# KiCad board s100_ColorMagic-1.1-005.kicad_pcb (continued)
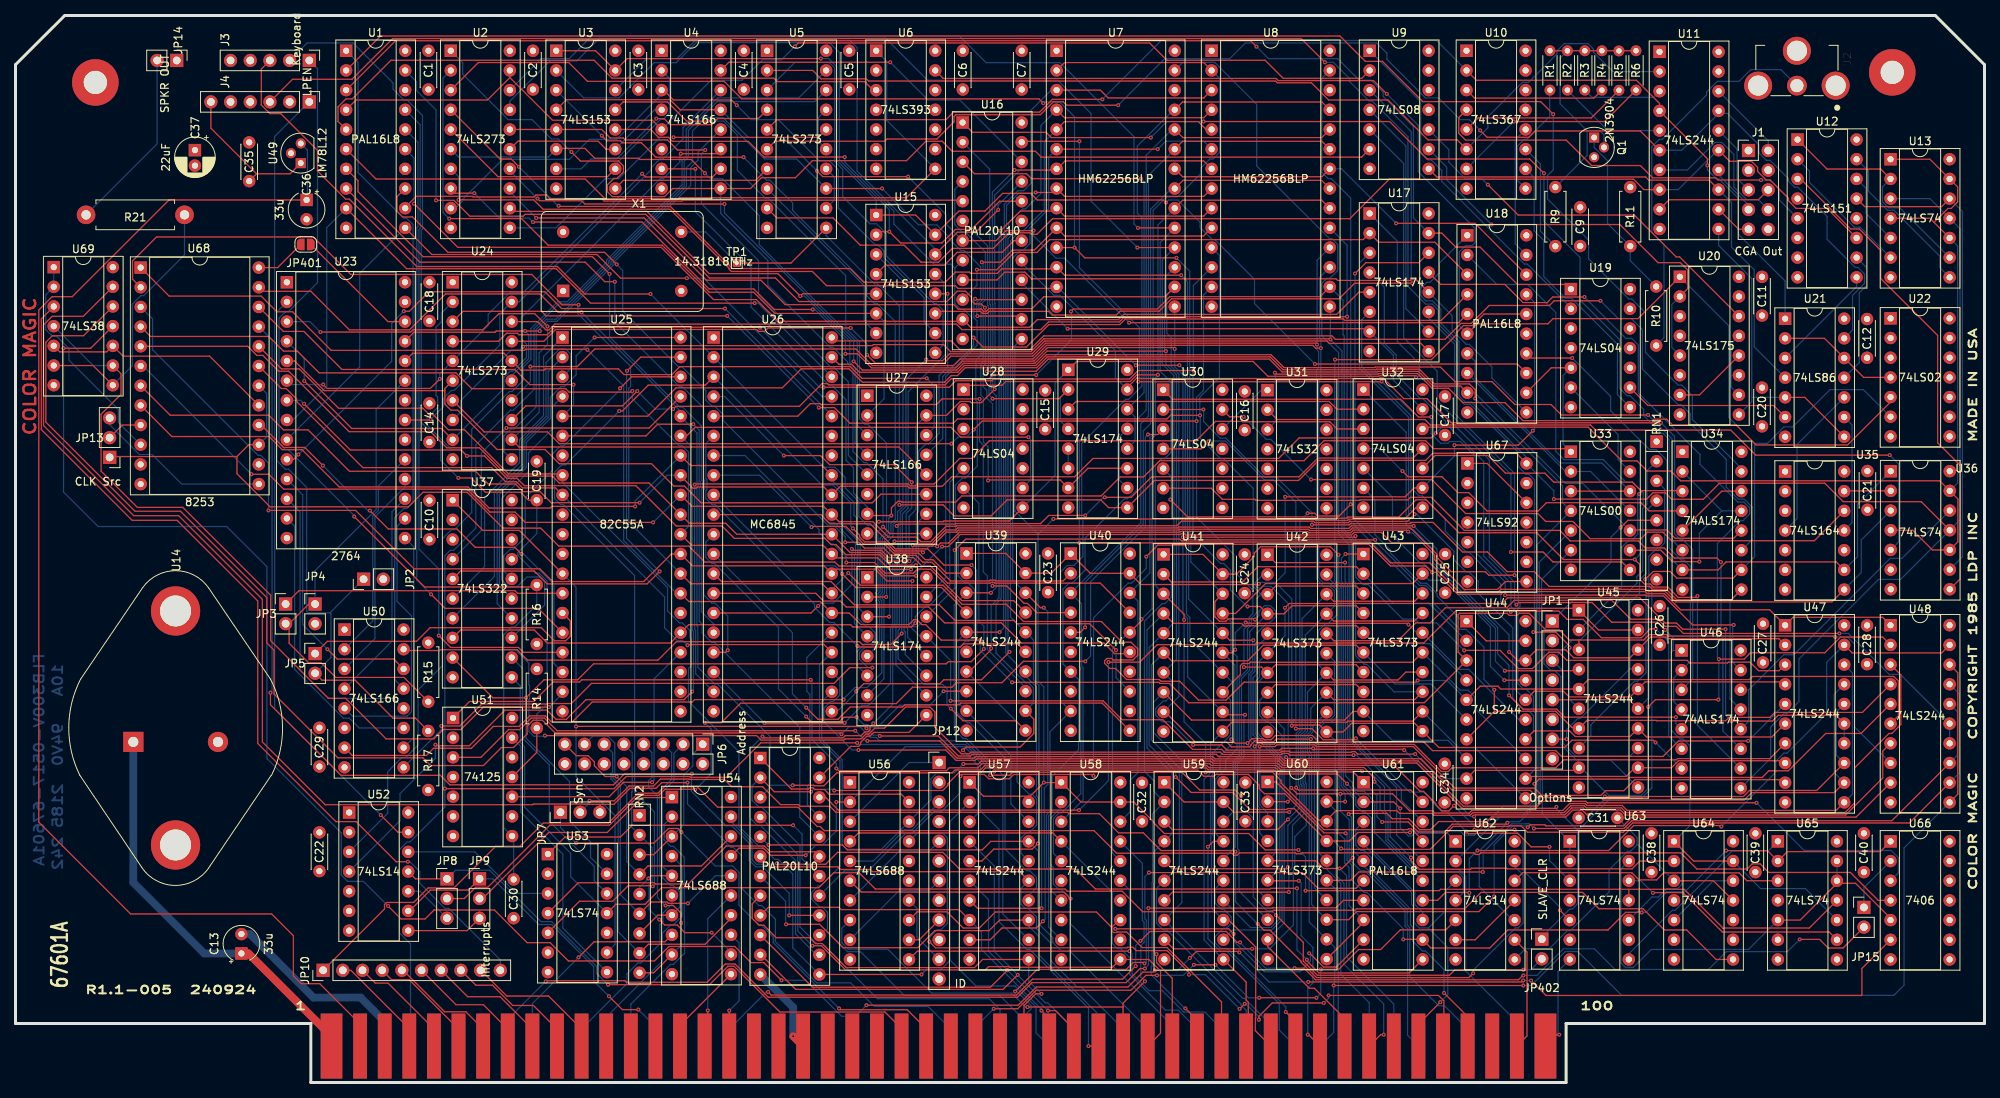
[diagram p0: board, top side]
## Nets (continued)
/Power_Buss_IF/INT*: P1.73
/Power_Buss_IF/MWRT: P1.68
/Power_Buss_IF/NDEF1: P1.21
/Power_Buss_IF/NDEF2: P1.65
/Power_Buss_IF/NDEF3: P1.66
/Power_Buss_IF/NMI*: P1.12
/Power_Buss_IF/pHLDA: P1.26
/Power_Buss_IF/PWRFAIL*: P1.13
/Power_Buss_IF/RESET*: P1.75
/Power_Buss_IF/RFU1: P1.27
/Power_Buss_IF/RFU2: P1.28
/Power_Buss_IF/RFU3: P1.69
/Power_Buss_IF/RFU4: P1.71
/Power_Buss_IF/SDSB*: P1.18
/Power_Buss_IF/sHLTA: P1.48
/Power_Buss_IF/sINTA: P1.96
/Power_Buss_IF/SIXTN*: P1.60
/Power_Buss_IF/sM1: P1.44
/Power_Buss_IF/TMA0*: P1.55
/Power_Buss_IF/TMA1*: P1.56
/Power_Buss_IF/TMA2*: P1.57
/Power_Buss_IF/TMA3*: P1.14
/Power_Buss_IF/XRDY: P1.3
/Q8: U29.3 U32.2
/RAMRD: U7.22 U8.22 U18.18
/RD: U25.5 U33.4 U62.2 U68.22
/RESET: J3.3 U17.1 U26.2 U28.8 U29.1 U38.1 U46.1 U63.10 U64.1 U64.13 U65.10
/SLAVE_CLR: JP402.2 P1.54 U5.18
/STATUS_CS: U45.1 U45.19 U55.22
/sWO: P1.97 U18.16 U61.5
/TMR_INT: JP10.10 U69.3
/TMRCS: U55.16 U68.21
/VI0: JP10.2 P1.4
/VI1: JP10.3 P1.5
/VI2: JP10.4 P1.6
/VI3: JP10.5 P1.7
/VI4: JP10.6 P1.8
/VI5: JP10.7 P1.9
/VI6: JP10.8 P1.10
/VI7: JP10.9 P1.11
/VSYNC_DLY: U6.13 U18.6 U20.1 U22.6 U34.10 U45.8
/WR: U25.36 U33.5 U55.3 U61.1 U62.10 U68.23
A0: P1.79 U25.9 U26.24 U55.15 U61.6 U68.19
A1: P1.80 U25.8 U55.13 U57.2 U68.20
A2: P1.81 U55.11 U57.4
A3: P1.31 U55.10 U57.6
A4: P1.30 U55.9 U57.8
A5: P1.29 U55.8 U57.11
A6: P1.82 U55.7 U57.13
A7: P1.83 U55.6 U57.15
A8: P1.84 U55.5 U57.17
A9: P1.34 U55.4 U58.11
A10: P1.37 U56.13 U58.13
A11: P1.87 U56.11 U58.15
A12: P1.33 U56.8 U58.17
A13: P1.85 U56.6 U58.2
A14: P1.86 U56.4 U58.4 U61.9
A15: P1.32 U54.17 U56.2
A16: P1.16 U54.15
A17: P1.17 U54.13
A18: P1.15 U54.11
A19: P1.59 U54.8
A20: P1.61 U54.6
A21: P1.62 U54.4
A22: P1.63 U54.2
A23: JP9.1 P1.64 U52.9
ALPHA_DOTS: U1.12 U16.5
AT0: U2.2 U15.6 U27.2
AT1: U2.5 U3.10 U4.2
AT2: U2.6 U3.6 U27.3
AT3: U2.9 U4.3 U15.10
AT4: U2.12 U15.5 U27.4
AT5: U2.15 U3.11 U4.4
AT6: U2.16 U3.5 U27.5
AT7: U1.4 U2.19 U4.5 U9.2
ATCLK: U2.11 U5.16
B: U5.9 U11.8 U11.15 U12.11
B_HSYNC_OUT: J1.6 U11.9
B_OUT: J1.9 U11.12
B_VSYNC_OUT: J1.8 U11.7
BACKGROUND_I: U15.12 U38.12
BLINK: U1.5 U6.3
BUS8V: C13.1 P1.1 P1.51 U14.1
BUS16V: C36.1 P1.2 U49.3
BW: U16.16 U17.7 U32.13
C0: U3.12 U16.8 U18.4 U27.13
C1: U3.4 U4.13 U16.7 U18.5
CC0: U23.7 U24.2 U27.10
CC1: U4.10 U23.6 U24.5
CC2: U23.5 U24.6 U27.11
CC3: U4.11 U23.4 U24.9
CC4: U23.3 U24.12 U27.12
CC5: U4.12 U23.25 U24.15
CC6: U23.24 U24.16 U27.14
CC7: U4.14 U23.21 U24.19
CCLK: U16.19 U26.21
CGROM11: JP3.1 U25.14
CGROM12: JP5.1 U25.15
CHG_DOTS: U1.1 U50.13
CLOCK: P1.49 U62.9
COLOR_COMPOSITE: U10.4 U12.5
COLOR_SEL: U16.15 U38.15
COMPOSITE_SYNC: U10.10 U19.8
CURSOR: U26.19 U32.3
CURSOR_BLINK: U1.6 U6.1 U6.8
D3IN: U16.23 U46.6
DA12: U1.13 U40.2
DA13: U1.19 U40.4
DI0: P1.95 U42.2 U47.11 U47.18 U60.2
DI1: P1.94 U42.5 U47.13 U47.16 U60.5
DI2: P1.41 U42.6 U47.14 U47.15 U60.6
DI3: P1.42 U42.9 U47.12 U47.17 U60.9
DI4: P1.91 U42.12 U48.11 U48.18 U60.12
DI5: P1.92 U42.15 U48.13 U48.16 U60.15
DI6: P1.93 U42.16 U48.14 U48.15 U60.16
DI7: P1.43 U42.19 U48.12 U48.17 U60.19
DISPEN: U26.18 U32.11
DO0: P1.36 U41.2 U43.2 U44.2 U59.2
DO1: P1.35 U41.4 U43.5 U44.4 U59.4
DO2: P1.88 U41.6 U43.6 U44.6 U59.6
DO3: P1.89 U41.8 U43.9 U44.8 U59.8
DO4: P1.38 U41.11 U43.12 U44.11 U59.11
DO5: P1.39 U41.13 U43.15 U44.13 U59.13
DO6: P1.40 U41.15 U43.16 U44.15 U59.15
DO7: P1.90 U41.17 U43.19 U44.17 U59.17
DOTCLK: U4.7 U18.12 U19.5 U27.7 U33.1 U50.7
DOTD0: U23.11 U50.14
DOTD1: U23.12 U50.12
DOTD2: U23.13 U50.11
DOTD3: U23.15 U50.10
DOTD4: U23.16 U50.5
DOTD5: U23.17 U50.4
DOTD6: U23.18 U50.3
DOTD7: U23.19 U50.2
ENABLE_BLINK: U1.3 U17.15 U19.1
FB1: U18.7 U33.3 U33.12
FB2: U18.8 U33.2 U33.11
G: U5.6 U11.6 U11.17 U21.13
G_OUT: J1.7 U11.14
GA0: U26.4 U39.11
GA1: U26.5 U39.13
GA2: U26.6 U39.15
GA3: U26.7 U39.17
GA4: U26.8 U39.2
GA5: U26.9 U39.4
GA6: U26.10 U39.6
GA7: U26.11 U39.8
GA8: U26.12 U40.11
GA9: U26.13 U40.13
GA10: U26.14 U40.15
GA11: U26.15 U40.17
GA12: U1.7 U26.16
GA13: U1.8 U26.17
GRPH: U1.15 U16.11 U17.5
HCLK: U18.17 U32.9 U39.1 U39.19 U40.1 U40.19 U42.11 U43.11 U46.7 U60.11 U61.8
HDGRAPHIC: U16.9 U17.12 U18.11
HI_ADDR: U54.19 U61.11
HRES: U16.10 U17.2 U18.3
HSYNC: U26.39 U34.6
HSYNC_OUT: U11.11 U20.9 U21.5 U21.8
I: U5.2 U10.6 U11.2
I_OUT: J1.2 U11.18
KBD_CLK: C30.1 J3.1 R16.1 U51.8 U64.2
KBD_DATA: C19.1 J3.2 R14.1 U37.17 U51.11
LATCH_CLK: U5.13 U16.14 U24.11
LC1: U5.12 U5.14
LC2: U5.15 U5.17
LCLK: U16.2 U29.2 U29.4 U35.8 U36.3
LPENSTR: U26.3 U45.4 U53.5
MA0: U7.10 U8.10 U39.9 U57.18
MA1: U7.9 U8.9 U39.7 U57.16
MA2: U7.8 U8.8 U39.5 U57.14
MA3: U7.7 U8.7 U39.3 U57.12
MA4: U7.6 U8.6 U39.18 U57.9
MA5: U7.5 U8.5 U39.16 U57.7
MA6: U7.4 U8.4 U39.14 U57.5
MA7: U7.3 U8.3 U39.12 U57.3
MA8: U7.25 U8.25 U40.9 U58.9
MA9: U7.24 U8.24 U40.7 U58.7
MA10: U7.21 U8.21 U40.5 U58.5
MA11: U7.23 U8.23 U40.3 U58.3
MA12: U7.2 U8.2 U40.18 U58.18
MA13: U7.20 U8.20 U28.1 U40.16 U58.16
MD0: U8.11 U24.3 U42.3 U43.3 U59.18
MD1: U8.12 U24.4 U42.4 U43.4 U59.16
MD2: U8.13 U24.7 U42.7 U43.7 U59.14
MD3: U8.15 U24.8 U42.8 U43.8 U59.12
MD4: U8.16 U24.13 U42.13 U43.13 U59.9
MD5: U8.17 U24.14 U42.14 U43.14 U59.7
MD6: U8.18 U24.17 U42.17 U43.17 U59.5
MD7: U8.19 U24.18 U42.18 U43.18 U59.3
MD8: U2.3 U7.11 U41.18 U47.9 U60.3
MD9: U2.4 U7.12 U41.16 U47.7 U60.4
MD10: U2.7 U7.13 U41.14 U47.5 U60.7
MD11: U2.8 U7.15 U41.12 U47.3 U60.8
MD12: U2.13 U7.16 U41.9 U48.9 U60.13
MD13: U2.14 U7.17 U41.7 U48.7 U60.14
MD14: U2.17 U7.18 U41.5 U48.5 U60.17
MD15: U2.18 U7.19 U41.3 U48.3 U60.18
MEMCS: U61.12 U65.2 U66.1 U69.12
MUX_G: U3.9 U5.7
MUX_I: U5.3 U15.9
MUX_R: U3.7 U5.4
MUXA: U3.14 U15.14 U16.21
MUXB: U3.2 U15.2 U16.20
MUXBLUE: U5.8 U15.7
NEW_RESET: U5.19 U52.3
OVERSCAN_B: U15.3 U38.2
OVERSCAN_G: U3.13 U38.5
OVERSCAN_I: U15.13 U38.10
OVERSCAN_R: U3.3 U38.7
PB6: U25.24 U51.10
PB7: U25.25 U28.5 U37.8
PC4: U25.13 U37.1 U53.9 U66.3
PD0: U17.3 U25.34 U26.33 U38.3 U44.18 U45.18 U47.2 U68.8
PD1: U17.4 U25.33 U26.32 U38.4 U44.16 U45.16 U47.4 U68.7
PD2: U17.6 U25.32 U26.31 U38.6 U44.14 U45.14 U47.6 U68.6
PD3: U17.11 U25.31 U26.30 U38.11 U44.12 U45.12 U47.8 U68.5
PD4: U17.13 U25.30 U26.29 U38.13 U44.9 U45.9 U48.2 U68.4
PD5: U17.14 U25.29 U26.28 U38.14 U44.7 U45.7 U48.4 U68.3
PD6: U25.28 U26.27 U44.5 U45.5 U48.6 U68.2
PD7: U25.27 U26.26 U44.3 U45.3 U48.8 U68.1
pDBIN: P1.78 U55.2 U61.2 U62.1
PHI: JP8.1 P1.24 U52.11
POC*: P1.99 U51.1
PORTC2: U1.16 U25.16
PORTC3: U1.17 U25.17
PRDY: P1.72 U66.6 U69.11
pSTVAL: JP7.1 P1.25
pSYNC: JP7.3 P1.76 U69.13
PU_RN1_8: JP402.1 RN1.8 U51.3
pWR*: P1.77 U62.5
Q2: U29.5 U29.6
Q3: U16.4 U29.7 U29.11
Q4: U29.10 U29.13
Q5: U16.3 U29.12 U29.14
Q6: U16.17 U29.15 U46.3
Q7: U16.1 U46.2 U46.4
Q8: U32.1 U46.5
R: U5.5 U10.2 U11.4 U21.1
R_OUT: J1.5 U11.16
RA0: U1.9 U23.8 U26.38
RA1: U1.11 U23.9 U26.37
RA2: U23.10 U26.36
RESET: U25.35 U28.9 U52.4
SELBLUE: U15.4 U16.18
sINP: P1.46 U56.17
SL: U4.15 U16.22 U27.15 U50.15
sMEMR: P1.47 U61.3
sOUT: P1.45 U61.4 U62.3
SPKR_DATA: U25.19 U69.4 U69.9
SPKR_GATE: U25.18 U68.16
STR: U3.1 U3.15 U15.1 U15.15 U18.13
U35.12: U30.13 U35.12
U35.13: U35.13 U36.2
VIDEO_EN: U9.4 U17.10
VSYNC: U26.40 U34.11
VSYNC_OUT: U9.8 U11.13 U21.4
XTRQ: P1.58 U61.7
Net-(C31-Pad1): C31.1 U62.8 U64.3 U64.11
Net-(J2-Pad2): J2.2 R10.2
Net-(J4-Pad1): J4.1 U52.13
Net-(JP1-Pad1): JP1.1 RN1.5 U45.11
Net-(JP1-Pad3): JP1.3 RN1.2 U45.13
Net-(JP1-Pad5): JP1.5 RN1.3 U45.15
Net-(JP1-Pad7): JP1.7 RN1.4 U45.17
Net-(JP2-Pad1): JP2.1 JP5.2 R17.2 U23.2
Net-(JP3-Pad2): JP3.2 JP4.1 R15.2 U23.23
Net-(JP6-Pad1): JP6.1 RN2.3 U54.3
Net-(JP6-Pad3): JP6.3 RN2.5 U54.5
Net-(JP6-Pad5): JP6.5 RN2.7 U54.7
Net-(JP6-Pad7): JP6.7 RN2.9 U54.9
Net-(JP6-Pad9): JP6.9 RN2.2 U54.12
Net-(JP6-Pad11): JP6.11 RN2.8 U54.14
Net-(JP6-Pad13): JP6.13 RN2.6 U54.16
Net-(JP6-Pad15): JP6.15 RN2.4 U54.18
Net-(JP7-Pad2): JP7.2 U62.13
Net-(JP8-Pad2): JP8.2 U30.3
Net-(JP8-Pad3): JP8.3 U52.10
Net-(JP9-Pad2): JP9.2 U54.1
Net-(JP9-Pad3): JP9.3 U52.8
Net-(JP12-Pad1): JP12.1 U56.3
Net-(JP12-Pad3): JP12.3 U56.5
Net-(JP12-Pad5): JP12.5 U56.7
Net-(JP12-Pad7): JP12.7 U56.9
Net-(JP12-Pad9): JP12.9 U56.12
Net-(JP12-Pad11): JP12.11 U56.14
Net-(JP13-Pad1): JP13.1 U67.8 U68.15 U68.18
Net-(JP13-Pad2): JP13.2 U68.9
Net-(JP13-Pad3): JP13.3 U68.13
Net-(JP14-Pad2): JP14.2 R21.2
Net-(JP15-Pad1): JP15.1 U66.2
Net-(JP401-Pad1): JP401.1 U23.26
Net-(Q1-Pad1): Q1.1 R10.1 R11.2
Net-(Q1-Pad2): Q1.2 R1.2 R2.2 R3.2 R4.2 R5.2 R6.2 R9.2
Net-(R1-Pad1): R1.1 U10.9
Net-(R2-Pad1): R2.1 U11.5
Net-(R3-Pad1): R3.1 U11.3
Net-(R4-Pad1): R4.1 U10.3
Net-(R5-Pad1): R5.1 U10.5
Net-(R6-Pad1): R6.1 U10.7
Net-(R9-Pad1): R9.1 U10.11
Net-(R21-Pad1): R21.1 U69.6 U69.8
Net-(U12-Pad1): U12.1 U13.2 U13.9
Net-(U12-Pad2): U12.2 U13.6
Net-(U12-Pad3): U12.3 U36.8
Net-(U12-Pad9): U12.9 U21.3
Net-(U12-Pad10): U12.10 U21.11
Net-(U12-Pad13): U12.13 U13.12 U36.9
Net-(U12-Pad14): U12.14 U13.5
Net-(U12-Pad15): U12.15 U13.8
Net-(U15-Pad11): U9.3 U15.11
Net-(U19-Pad6): U19.6 U33.13
Net-(U19-Pad9): U19.9 U21.6
Net-(U20-Pad2): U9.9 U20.2 U20.5
Net-(U20-Pad10): U20.10 U20.13
Net-(U20-Pad12): U20.7 U20.12
Net-(U20-Pad14): U9.10 U20.14
Net-(U21-Pad9): U21.9 U35.11
Net-(U21-Pad10): U21.10 U35.4
Net-(U21-Pad12): U21.2 U21.12 U22.4
Net-(U22-Pad5): U22.5 U31.3
Net-(U25-Pad1): U25.1 U37.6
Net-(U25-Pad2): U25.2 U37.14
Net-(U25-Pad3): U25.3 U37.7
Net-(U25-Pad4): U25.4 U37.13
Net-(U25-Pad37): U25.37 U37.4
Net-(U25-Pad38): U25.38 U37.16
Net-(U25-Pad39): U25.39 U37.5
Net-(U25-Pad40): U25.40 U37.15
Net-(U28-Pad6): U28.6 U37.9 U53.13
Net-(U30-Pad1): U30.1 U46.15
Net-(U30-Pad4): U30.4 U63.3
Net-(U30-Pad12): U30.12 U31.1
Net-(U31-Pad2): U31.2 U36.5
Net-(U32-Pad4): U32.4 U34.4
Net-(U32-Pad6): U32.6 U44.1 U44.19
Net-(U33-Pad6): U33.6 U63.1 U63.2
Net-(U33-Pad8): U9.5 U33.8
Net-(U33-Pad9): U33.9 U34.2 U34.13
Net-(U34-Pad14): U34.5 U34.14
Net-(U37-Pad11): U37.11 U53.11 U64.8
Net-(U37-Pad12): U37.12 U53.12
Net-(U51-Pad13): U51.13 U53.8
Net-(U52-Pad12): U52.12 U53.3
Net-(U55-Pad1): U55.1 U56.19
Net-(U62-Pad11): U62.6 U62.11
Net-(U62-Pad12): U62.12 U65.3
Net-(U63-Pad8): U63.8 U65.1
Net-(U63-Pad12): U63.12 U65.9
Net-(U63-Pad13): U63.13 U65.5 U65.12 U65.13 U66.5
Net-(U64-Pad12): U64.5 U64.12
Net-(U67-Pad1): U67.1 U67.12
Net-(U68-Pad10): U68.10 U69.1 U69.2
Net-(U68-Pad17): U68.17 U69.5 U69.10

Pads without a net: H1 1; H2 1; J1 3 4; J4 2; RN1 6 7; U1 14 18; U6 4 5 6 9 10 11; U9 11 12 13; U10 13 14; U12 6; U18 15; U19 3 4 10 11 12 13; U20 3 6 11 15; U22 1 2 3 8 9 10 11 12 13; U23 1 27; U25 10 11 12 20 21 22 23; U26 34 35; U28 3 4 10 11 12 13; U30 8 9 10 11; U31 4 5 6 8 9 10 11 12 13; U35 3 5 6 10; U36 6; U40 6 8 12 14; U51 4 5 6; U52 1 2 5 6; U53 6; U58 6 8 12 14; U63 6 9; U64 6 9; U65 6 8; U66 8 9 10 11 12 13; U67 2 3 4 9 11 13; X1 1

## Via types
v1: diameter 0.508, hole 0.254, Component to Copper, 508 vias

## Routing (per net, layer and track width the routed paths; a pad name or vN(x,y) marks a point on that pad's centre or on a via; arc(x,y) is an arc through that point)
+12V: length 19.3
  Component w0.152: U49.1 35.42,117.27 31.09,117.27 ; 31.09,117.27 C35.1 ; 31.09,117.27 25.2,123.16 25.2,126.56
GND: length 58.2
  Component w0.152: 197.36,4.7 198.83,6.17 v1(199.14,6.17)
  Component w1: 101.6,4.7 v1(100.32,5.97)
  Copper w0.152: 198.98,6.32 v1(199.14,6.17) ; 198.98,6.32 198.98,14.36 U63.7 ; 198.98,6.32 197.36,4.7 ; 47.63,8.18 P1.53
  Copper w1: C13.2 30.25,19.16 38.45,10.96 44.53,10.96 47.63,7.86 P1.53 ; U55.12 100.32,9.7 v1(100.32,5.97) 101.6,4.7
VCC: length 6.6
  Component w0.152: JP401.2 33.81,105.17 U68.24
3.58MHZ: length 42.1
  Copper w0.152: U46.12 223.59,46.64 223.59,50.68 ; 223.59,50.68 228.12,55.2 229.4,55.2 241.84,67.64 243.35,67.64 U36.12 ; 223.59,50.68 U46.14
7MHZ: length 160.4
  Component w0.152: v1(216.97,62.79) 216.78,62.6 214.49,62.6 213.16,63.94 211.28,63.94 210.88,64.34 210.14,64.34 209.53,64.95 209.53,66.85 v1(208.89,67.49) 199.69,67.49 196.23,70.95 186.21,70.95 181.96,75.2 180.68,75.2 178.45,72.97 171.87,72.97 171.72,72.83 167.84,72.83 167.67,73 151.2,73 v1(148.97,75.23)
  Copper w0.152: v1(148.97,75.23) 149.08,75.34 149.08,78.2 U30.5 ; v1(208.89,67.49) 209.62,68.22 209.62,74.41 209.97,74.77 209.97,76.12 208.64,77.45 207.75,77.45 204.81,80.39 199.76,80.39 198.7,81.45 198.7,99.38 195.09,102.99 191.09,102.99 U18.2 ; v1(216.97,62.79) 216.97,46.1 U46.10
14MCLK: length 344.7
  Component w0.152: v1(198.45,75.29) 210.42,75.29 211.23,76.11 212.82,76.11 213.66,75.27 217.74,75.27 219.82,77.35 233.39,77.35 235.78,74.96 245.83,74.96 U36.11 ; v1(114.02,74.55) 119.65,74.55 121.07,73.13 125.84,73.13 127.91,75.2 140,75.2 141,74.19 U29.9 146.93,77.7 165.52,77.7 168.11,80.29 181.9,80.29 182.82,81.21 193.61,81.21 U67.14 ; TP1.1 100.03,105.75 U5.11
  Copper w0.152: U13.3 246.96,114.08 U13.11 250.84,110.19 250.84,72.6 U36.11 243.17,64.92 240.32,64.92 230.06,54.67 230.06,49.16 228.48,47.59 228.13,47.59 226.42,45.88 226.42,41.85 U46.9 ; v1(198.45,75.29) 198.45,76.36 U67.14 194.92,80.68 187.78,87.81 187.01,87.81 186.22,88.6 186.22,95.63 183.87,97.98 183.87,99.79 182.78,100.88 181.95,100.88 181.28,101.55 181.28,102.5 182.05,103.27 182.46,103.27 183.68,104.48 183.68,105.74 U18.1 ; v1(114.02,74.55) 114.02,100.23 111.18,103.06 110.8,103.06 104.57,109.29 U5.11 ; TP1.1 89.03,109.78 X1.8
6845E: length 118.5
  Component w0.152: U63.5 v1(199.23,22.24) ; v1(193.38,32.63) 188.24,32.63 v1(188.21,32.6) ; v1(108.74,42.91) 120,42.91 121.34,41.57 123.78,41.57 123.98,41.78 154.32,41.78 154.61,41.49 162.95,41.49 163.5,40.94 177.84,40.94 181.2,37.58 181.62,37.58 183.21,36 183.21,35.86 184.01,35.06 184.91,35.06 v1(185.57,35.72)
  Copper w0.152: v1(193.38,32.63) 194.48,31.53 194.48,27.38 199.23,22.63 v1(199.23,22.24) ; v1(108.74,42.91) 107.92,42.91 104.28,46.56 104.28,48.31 105.14,49.16 105.49,49.16 106.33,50.01 106.33,51.94 U26.23 ; v1(188.21,32.6) 188.21,33.08 v1(185.57,35.72)
/3.6MCLK: length 104
  Component w0.152: v1(167.24,71.98) 167.26,71.97 172.06,71.97 172.22,72.13 179.88,72.13 180.03,72.29 182.86,72.29 186.68,68.47 189.89,68.47 192.42,65.93 195.92,65.93 197.83,64.02 210.8,64.02 211.17,63.65 212.94,63.65 214.27,62.32 221.35,62.32 U34.9 ; U30.2 v1(153.24,86.86)
  Copper w0.152: U34.9 221.17,62.14 221.17,49.52 U46.13 ; v1(153.24,86.86) 153.26,86.83 153.26,85.3 155.41,83.16 156.12,83.16 161.17,78.1 162.69,78.1 167.24,73.55 v1(167.24,71.98)
/7MHZ: length 101.4
  Component w0.152: v1(220,67.17) 219.49,67.68 214,67.68 212.69,68.99 210.25,68.99 209.34,69.9 200.56,69.9 199.21,71.25 186.9,71.25 182.63,75.52 179.96,75.52 179.63,75.2 173.46,75.2 173.4,75.13 160.02,75.13 159.88,75.27 155.68,75.27 154.25,76.7 U30.6
  Copper w0.152: U46.11 220.25,45.36 220.25,57.37 220,57.62 v1(220,67.17)
/6845CS: length 26.1
  Copper w0.152: U26.25 102.08,54.84 102.08,50.48 102.47,50.1 102.47,38.54 102.15,38.23 102.15,35.81 U55.21
/6845WRT: length 121.5
  Component w0.152: v1(122.26,41.11) 124.22,41.11 124.58,41.47 154.19,41.47 154.46,41.19 162.81,41.19 163.35,40.66 173.94,40.66 175.31,39.29 v1(175.31,38.82)
  Copper w0.152: v1(122.26,41.11) 121.14,39.99 118.89,39.99 118.09,39.19 118.09,36.49 U56.18 111.71,30.11 107.2,30.11 106.64,30.67 106.64,41.63 104,44.27 104,49.13 U26.22 ; v1(175.31,38.82) 176.03,38.09 176.03,35.26 176.77,34.52 176.77,31.23 180.87,27.13 186.13,27.13 186.78,26.49 186.78,24.5 U62.4
/BLANK: length 17.3
  Copper w0.152: U18.19 193.47,108.23 193.47,121.66 U10.12
/BW: length 147
  Component w0.152: U13.1 246.96,119.16 U13.13 250.53,115.58 250.53,113.64 249.7,112.81 249.29,112.81 247.49,111 ; 247.49,111 246.96,111.53 U13.4 ; 247.49,111 U13.10 ; U36.4 244.72,71.28 247.27,68.73 U36.10 250.57,69.78 250.57,75.31 U36.13 248.22,77.66 214.8,77.66 213.55,78.91 210.49,78.91 209.17,80.23 207.22,80.23 202.87,84.58 181.73,84.58 U32.12
  Copper w0.152: U36.13 250.53,77.37 250.53,107.96 U13.10
/CLR_SL: length 282.4
  Component w0.152: v1(54.93,46.01) 57.32,46.01 60.15,48.84 68.56,48.84 68.62,48.91 71.7,48.91 74.29,51.5 105.58,51.5 107.62,53.54 v1(110.53,53.54) ; U9.6 173.65,119.43 132.32,119.43 131.57,120.18 120.83,120.18 119.54,121.47 117.44,121.47 114.94,118.97 102.8,118.97 100.6,116.77 96.21,116.77 94.81,115.38 U4.9 84.77,115.38 83.73,114.33 76.99,114.33 76.37,114.96 76.37,115.86 77.18,116.67 77.58,116.67 78.43,117.52 78.43,118.28 77.79,118.92 72.88,118.92 v1(71.72,120.08) ; v1(111.9,71.72) 112.78,70.85 U27.9
  Copper w0.152: v1(71.72,120.08) 70.02,121.78 69.12,121.78 66.64,124.27 63.56,124.27 57.69,130.14 57.69,131.62 U2.1 ; U4.9 90.97,112.16 97.06,106.07 97.06,102.92 105.09,94.89 105.47,94.89 107.34,93 107.34,92.79 108.03,92.11 108.03,81.44 109.46,80 109.78,80 111.9,77.88 v1(111.9,71.72) 111.25,71.07 111.25,63.49 110.97,63.2 110.97,62.12 111.18,61.91 111.18,57.02 110.34,56.17 109.57,56.17 108.87,55.48 108.87,54.63 109.96,53.54 v1(110.53,53.54) ; U50.9 54.93,45.54 v1(54.93,46.01)
/CURSOR_DLY: length 219
  Component w0.152: U1.2 47.1,135.06 170.85,135.06 174.12,131.79 176.34,131.79 181.53,126.59 196.74,126.59 v1(198.37,124.96)
  Copper w0.152: U34.15 222.65,79.25 216.32,85.58 216.32,88.61 214.92,90.01 214.47,90.01 210.27,94.21 210.27,99.33 208.48,101.12 208.11,101.12 202.93,106.31 202.93,108.72 197.63,114.02 197.63,117.04 198.37,117.78 v1(198.37,124.96)
/DISPEN: length 57.7
  Component w0.152: 209.78,76.27 208.57,77.49 198.44,77.49 197.28,78.64 192.21,78.64 189.92,80.92 183.16,80.92 U32.10 ; 209.78,76.27 209.9,76.39 214.95,76.39 U34.3 ; 209.78,76.27 v1(209.46,75.95)
  Copper w0.152: U45.2 207.2,63.92 207.2,69.06 208.1,69.97 208.47,69.97 209.27,70.77 209.27,75.76 v1(209.46,75.95)
/DISPEN_DLY: length 128.9
  Component w0.152: U34.12 221.64,70.23 214.11,70.23 213.03,71.31 208.34,71.31 U33.10 ; v1(125.33,91.79) 131.65,91.79 133.23,93.37 161.74,93.37 163.4,91.7 175.61,91.7 175.69,91.78 180.97,91.78 182.87,89.88 186.42,89.88 187.28,89.02
  Copper w0.152: U16.6 125.39,107.98 125.39,100.31 125.51,100.19 125.51,91.97 v1(125.33,91.79) ; U33.10 202.18,77.32 199.92,77.32 188.22,89.02 187.28,89.02
/EN2: length 77.6
  Component w0.152: v1(170.66,68.11) 169.63,69.15 160.62,69.15 159.79,68.31 159.79,67.88 157.53,65.61 U41.19 153.18,68.16 U41.1
  Copper w0.152: U61.13 181.52,21.96 180.51,22.97 180.51,24.52 174.92,30.11 174.92,34.1 174.09,34.94 173.72,34.94 172.89,35.76 172.89,36.78 171.29,38.38 171.29,63.99 170.7,64.58 170.7,68.08 v1(170.66,68.11)
/EN3: length 89.9
  Component w0.152: v1(220.05,33.04) 219.93,33.16 208.74,33.16 205.52,29.94 v1(188.59,29.94) ; v1(187.55,24.47) 187.48,24.53 184.47,24.53 183.44,23.51 U61.14 ; U48.19 248.47,55.44 236.93,55.44 U47.19
  Copper w0.152: v1(187.55,24.47) 187.55,28.89 v1(188.59,29.94) ; v1(220.05,33.04) 227.06,40.04 227.06,41.44 228.12,42.5 228.51,42.5 233.65,47.64 233.65,54.22 U47.19
/EN4: length 49.5
  Component w0.152: U43.1 v1(171.57,68.2)
  Copper w0.152: v1(171.57,68.2) 171.04,67.68 171.04,64.64 171.57,64.11 171.57,39.58 172.47,38.68 172.47,38.25 173.13,37.6 173.96,37.6 175.33,36.22 175.33,32.24 U61.15
/EN5: length 53.1
  Component w0.152: U42.1 162.51,67.1 v1(171.51,67.1)
  Copper w0.152: v1(171.51,67.1) 171.51,64.65 171.85,64.31 171.85,44.38 178.16,38.07 178.16,31.95 U61.16
/EN6: length 23.3
  Component w0.152: U61.17 181.52,31.28 180.08,32.73 179.7,32.73 179.61,32.64 168.77,32.64 162.62,38.79 U60.1
/ENABLE_BLINK: length 44.5
  Copper w0.152: U9.1 181.27,126.57 181.27,120.01 182.22,119.06 182.63,119.06 183.99,117.7 183.99,116.29 194.65,105.63 195.01,105.63 200.65,99.99 U19.2
/EVNWR: length 138.8
  Component w0.152: U61.19 179.99,37.75 165.51,37.75 v1(165.21,38.04) ; U59.1 150.74,36.21 U59.19 157.13,34.9 v1(164.3,34.9) ; v1(172.24,74.62) 170.73,73.11 167.96,73.11 167.61,73.46 v1(166.68,73.46)
  Copper w0.152: v1(172.24,74.62) 172.24,114.12 169.72,116.64 169.34,116.64 168.51,117.48 168.51,129.58 U8.27 ; v1(164.3,34.9) 165.21,35.81 v1(165.21,38.04) 165.21,45.07 165.68,45.54 165.68,72.47 v1(166.68,73.46)
/HCLK: length 237.9
  Component w0.152: v1(165.49,30.02) 161.2,30.02 159.09,32.13 148.21,32.13 146.92,33.43 146.92,33.53 144.25,36.2 137.44,36.2 U58.1 134.87,38.71 v1(132.65,38.71) 130.89,36.95 130.7,36.95 ; v1(166.42,24.76) 183.66,24.76 183.83,24.94 208.12,24.94 ; 208.12,24.94 215.26,24.94 220.26,19.94 231.4,19.94 U65.11 ; 208.12,24.94 U63.11 ; 130.7,36.95 124.87,36.95 U57.1 ; 130.7,36.95 130.7,36.2 ; v1(133.88,72.72) 167.55,72.72 167.74,72.53 171.83,72.53 171.99,72.69 179.15,72.69 180.65,74.19 U32.8
  Copper w0.152: v1(165.49,30.02) 166.42,29.1 v1(166.42,24.76) ; 131.91,70.76 v1(133.88,72.72) ; 131.91,70.76 131.91,51.8 132.65,51.06 v1(132.65,38.71) ; 131.91,70.76 128.91,73.76 128.91,95.07 U16.13
/HSYNC_DLY: length 76.8
  Component w0.152: v1(200.8,93.5) 195.5,93.5 194.9,94.1 ; U35.9 234.87,67.19 220.66,67.19 219.63,66.16 U34.7
  Copper w0.152: v1(200.8,93.5) 205.77,88.54 205.77,86.69 210.77,81.69 211.63,81.69 213.02,80.3 213.02,68.16 U34.7 ; U35.9 237.62,67.87 237.62,74.61 U36.1
/IDEN1: length 194.4
  Component w0.152: U48.1 240.86,60.04 229.3,60.04 U47.1 226.29,61.01 214.79,61.01 212.71,63.09 210.52,63.09 210.25,63.36 191.98,63.36 191.65,63.03 186.03,63.03 183.22,65.84 v1(182.76,65.84) 181.93,66.67 177.36,66.67 174.57,69.46 151.12,69.46 151.02,69.36 147.36,69.36 v1(145.87,67.87) ; v1(121.9,39.53) 122.14,39.77 124.97,39.77 125.54,39.2 128.21,39.2 128.76,39.75 138.89,39.75 v1(139.07,39.57)
  Copper w0.152: U55.17 106.91,27.31 109.98,27.31 114.8,32.13 115.65,32.13 118.46,34.94 119.41,34.94 121.9,37.43 v1(121.9,39.53) ; v1(139.07,39.57) 139.07,59.98 143.53,64.45 143.97,64.45 145.87,66.34 v1(145.87,67.87) ; U32.5 177.63,75.52 177.63,70.6 181.19,67.04 181.56,67.04 v1(182.76,65.84)
/IO Chips/KBD_INT*: length 219.5
  Component w0.152: JP10.1 47.6,22.4 47.6,22.97 47.87,23.24 51.36,23.24 53.23,25.11 56.57,25.11 61.94,30.48 65.08,30.48 68.08,33.49 76.48,33.49 80.34,37.34 82.86,37.34 83.76,38.24 87.87,38.24 90.57,35.53 100.93,35.53 103.42,33.04 103.8,33.04 104.33,32.51 139.12,32.51 142.04,29.59 156.92,29.59 157.19,29.33 157.57,29.33 157.88,29.63 165.12,29.63 165.25,29.51 165.87,29.51 165.99,29.63 188.12,29.63 188.31,29.44 188.83,29.44 189.03,29.63 214.81,29.63 216.89,27.56 223.37,27.56 224.03,28.22 225.06,28.22 226.16,27.11 236.69,27.11 240.3,23.5 U66.4
/LPEN_CLR: length 41.1
  Component w0.152: U53.1 70.89,31.69 78.04,31.69 79.55,33.2 v1(100.31,33.2)
  Copper w0.152: U55.18 101.47,28.87 101.47,32.04 v1(100.31,33.2)
/LPEN_SET: length 39.3
  Component w0.152: U53.4 72.6,25.78 82.4,25.78 82.56,25.62 86.78,25.62 91.68,30.52 96.6,30.52 97.34,29.78 103.1,29.78 U55.19
/LPENSW: length 241.6
  Component w0.152: v1(200.47,56.12) 200.47,56.34 198.68,58.12 v1(195.8,58.12) ; J4.3 35.74,129.47 43.4,129.47 48.65,134.73 165.85,134.73 v1(168.92,131.67)
  Copper w0.152: v1(200.47,56.12) 200.47,49.45 U45.6 ; v1(195.8,58.12) 195.95,58.28 195.95,77.78 195.23,78.5 194.84,78.5 193.82,79.51 193.82,81.37 187.68,87.51 186.91,87.51 185.94,88.48 185.94,95.47 183.55,97.86 183.55,99.67 182.76,100.46 181.91,100.46 179.63,102.74 179.63,122.06 175.01,126.68 174.6,126.68 172.11,129.17 172.11,129.55 170,131.67 v1(168.92,131.67)
/ODDWR: length 116.8
  Copper w0.152: U7.27 150.57,131.64 154.71,131.64 160.11,126.24 160.11,118.3 169.52,108.9 169.82,108.9 170.57,108.15 170.57,104.81 169.54,103.78 169.15,103.78 168.51,103.14 168.51,96.37 170.68,94.19 170.68,70.78 172.03,69.43 172.03,64.53 172.13,64.43 172.13,44.49 178.77,37.86 178.77,36.42 U61.18
/PHANTOM: length 164.2
  Component w0.152: JP15.2 235.75,17.36 233.83,17.36 232.72,18.47 v1(230.16,18.47) ; v1(145.13,18.28) 146.34,19.5 156.18,19.5 157.59,18.08 v1(157.97,18.08) ; v1(144.5,15.03) 142.81,13.34 131.19,13.34 129.14,11.29 97.48,11.29 v1(97.08,11.69) ; v1(164.99,14.75) 166.21,14.75 167.71,13.26 193.89,13.26 194.45,13.82 v1(194.51,13.82)
  Copper w0.152: v1(194.51,13.82) 196.25,13.82 199.68,17.25 203.67,17.25 206.34,14.59 218.39,14.59 220.69,16.89 228.58,16.89 v1(230.16,18.47) ; v1(144.5,15.03) 144.5,17.66 v1(145.13,18.28) ; v1(164.99,14.75) 161.25,14.75 157.97,18.04 v1(157.97,18.08) ; v1(97.08,11.69) 96.86,11.69 92.08,6.91 P1.67
/PIACS: length 77.8
  Component w0.152: U25.6 81.33,83.45 82.83,84.96 v1(87.44,84.96)
  Copper w0.152: v1(87.44,84.96) 88.19,84.2 88.19,77.62 88.35,77.47 88.35,76.86 88.19,76.71 88.19,59.52 88.58,59.14 88.58,58.04 89.83,56.78 90.22,56.78 101.17,45.83 101.17,34.25 U55.20
/PORT1_WR: length 164.7
  Component w0.152: v1(117.48,93.31) 117.65,93.15 119.58,93.15 120.47,94.04 131.12,94.04 132.77,95.7 169.18,95.7 169.48,95.39 181.29,95.39 U17.9 ; v1(110.66,46.34) 110.24,45.91 110.24,45.52 109.97,45.25 109.58,45.25 109.08,44.76 107.02,44.76 106.74,44.48 96.54,44.48 v1(96.37,44.66)
  Copper w0.152: U55.14 103.32,16.48 100.62,19.18 100.62,28.66 96.11,33.17 95.71,33.17 94.71,34.18 94.71,43 v1(96.37,44.66) ; v1(110.66,46.34) 113.16,48.83 113.16,58.63 113.44,58.91 113.44,67.91 114.12,68.59 114.12,73.61 114.87,74.35 114.87,90.7 v1(117.48,93.31)
/PORT2_WR: length 17.3
  Component w0.152: U38.9 115.25,45.18 110.69,45.18 110.2,44.69 109.82,44.69 109.03,43.9 109.03,43.65 108.76,43.38 107.74,43.38 U55.23
/Q8: length 38.9
  Component w0.152: U32.2 170.47,86.89 169.47,87.9 136.81,87.9 U29.3
/RAMRD: length 51.9
  Component w0.152: U8.22 168.52,116.89 150.56,116.89 U7.22 ; U18.18 188.28,110.89 v1(178.09,110.89)
  Copper w0.152: U8.22 171.06,117.92 v1(178.09,110.89)
/RD: length 247.4
  Component w0.152: v1(71.98,90.07) 66.35,90.07 64.4,92.02 42.11,92.02 37.2,96.93 34.55,96.93 U68.22 ; U25.5 81.55,86 85.21,89.65 98.92,89.65 101.37,92.11 107.51,92.11 109.24,90.38 119.85,90.38 120.7,91.23 121.49,91.23 122.52,92.25 131.72,92.25 133.11,93.65 161.85,93.65 163.52,91.98 175.5,91.98 175.57,92.06 181.09,92.06 182.99,90.16 187.56,90.16 188.3,89.42 v1(188.3,88.28)
  Copper w0.152: U25.5 71.98,87.42 v1(71.98,90.07) ; U62.2 191.52,34.32 194.29,34.32 196.4,36.43 196.4,47.92 196.26,48.06 196.26,69.39 U33.4 199.57,74.85 199.57,77.02 v1(188.3,88.28)
/RESET: length 355.5
  Component w0.152: U28.8 128.19,72.46 119.75,72.46 119.66,72.37 v1(111.38,72.37) ; v1(81.91,101.77) 73.44,101.77 69.9,105.31 51.76,105.31 43.07,114.01 42.59,114.01 38.95,117.64 38.95,120.3 34.21,125.04 32.83,125.04 31.71,126.16 31.71,130.79 J3.3 ; v1(212.81,58.39) 211.8,59.41 205.91,59.41 203.37,61.95 193.9,61.95 v1(193.62,61.66) ; v1(180.67,91.02) 180.48,91.21 175.92,91.21 175.85,91.14 161.57,91.14 159.65,93.06 136.89,93.06 U29.1 ; U64.13 216.49,28.58 U64.1
  Copper w0.152: 213.83,55.76 U46.1 ; 213.83,55.76 213.59,55.53 213.59,45.48 214.74,44.33 215.11,44.33 215.99,43.46 215.99,33.16 U64.1 214.98,30.09 214.98,25.59 214.39,25 213,25 211.94,23.94 211.1,23.94 U63.10 ; 213.83,55.76 213.83,57.38 v1(212.81,58.39) ; 181.1,91.28 180.84,91.02 v1(180.67,91.02) ; 181.1,91.28 182.91,89.47 182.91,87.55 190.12,80.34 190.12,67.81 193.37,64.56 193.37,61.91 v1(193.62,61.66) ; 181.1,91.28 181.1,92.78 178.26,95.61 178.26,108.58 U17.1 ; U65.10 230.9,25.03 225.12,25.03 U64.13 ; U28.8 134.1,78.37 134.1,90.27 U29.1 ; 110.93,71.92 110.93,66.26 U38.1 ; 110.93,71.92 v1(111.38,72.37) ; 110.93,71.92 109.9,71.92 108.79,73.04 108.79,74.97 107.03,76.73 107.03,78.08 105.7,79.41 104.27,79.41 U26.2 v1(81.91,101.77)
/SLAVE_CLR: length 321.9
  Component w0.152: v1(158.12,36.98) 157.36,37.75 152.76,37.75 150.48,40.03 128.64,40.03 128.27,39.66 v1(125.73,39.66) ; v1(55.39,37.92) 77.21,37.92 78.78,39.5 86.96,39.5 87.06,39.39 91.7,39.39 96.15,43.84 v1(108.57,43.84) ; v1(194.52,14.56) 185.69,14.56 184.97,13.84 167.94,13.84 166.13,15.66 166.13,18.08 v1(162.61,21.6)
  Copper w0.152: U5.18 103.09,126.6 90.52,126.6 86.81,122.88 86.81,119.45 86.26,118.9 86.26,115.74 76.53,106.01 76.53,105.72 71.28,100.48 70.06,100.48 66.89,97.3 66.89,89.44 64.22,86.77 63.86,86.77 59.38,82.29 59.38,71.55 56.5,68.68 56.07,68.68 55.39,68 v1(55.39,37.92) 55.39,35.55 50.87,31.03 50.51,31.03 49.53,30.05 49.53,19.32 50.96,17.89 50.96,4.85 P1.54 ; v1(108.57,43.84) 108.78,43.63 122.53,43.63 125.73,40.43 v1(125.73,39.66) ; v1(158.12,36.98) 158.12,35.66 159.67,34.11 159.67,23.91 161.4,22.18 162.03,22.18 v1(162.61,21.6) ; JP402.2 195.5,14.56 v1(194.52,14.56)
/STATUS_CS: length 127.2
  Component w0.152: v1(137.19,35.15) 106.14,35.15 104.5,36.8 U55.22 ; U45.19 204.22,58.4 U45.1 201.42,61.2 192.7,61.2 192.42,60.92 185.85,60.92 181.66,56.72 160.16,56.72 159.95,56.51 147.29,56.51 145.03,54.25 v1(140.99,54.25)
  Copper w0.152: v1(140.99,54.25) 140.99,38.95 v1(137.19,35.15)
/sWO: length 123.4
  Component w0.152: v1(170.22,93.29) 182.65,93.29 185.9,96.54 185.9,96.8 186.78,97.68 187.92,97.68 189.42,99.18 U18.16
  Copper w0.152: P1.97 187.33,6.91 184.34,9.9 183.6,9.9 179.86,13.64 179.86,19.97 179.53,20.3 179.53,22.36 173.9,27.99 U61.5 172.61,29.88 172.61,36.67 171.01,38.27 171.01,63.87 170.19,64.7 170.19,93.26 v1(170.22,93.29)
/TMR_INT: length 117.1
  Component w0.152: U69.3 3.33,98.55 3.33,84.27 15.05,72.56 20.85,72.56 31.25,62.16 31.25,43.75 41.33,33.67 43.92,33.67 49.1,28.5 v1(50.61,28.5)
  Copper w0.152: JP10.10 62.54,15.83 55.89,22.47 55.39,22.47 52.15,25.72 52.15,27.22 50.88,28.5 v1(50.61,28.5)
/TMRCS: length 137.2
  Component w0.152: v1(99.81,21.57) 103.69,21.57 U55.16 ; v1(87.25,39.85) 78.56,39.85 77.13,38.42 56.02,38.42 54.8,39.64 42,39.64 32.89,48.75 v1(32.89,50.31)
  Copper w0.152: v1(99.81,21.57) 99.81,24.42 96.39,27.84 95.49,27.84 94.65,28.68 94.65,30.88 92.4,33.13 91.65,33.13 87.19,37.58 87.19,39.79 v1(87.25,39.85) ; v1(32.89,50.31) 33.09,50.52 33.09,95.84 U68.21
/VI0: length 13.9
  Component w0.152: P1.4 50.8,6.95 43.27,14.48 JP10.2
